# Altium PCB obc.PcbDoc (continued)
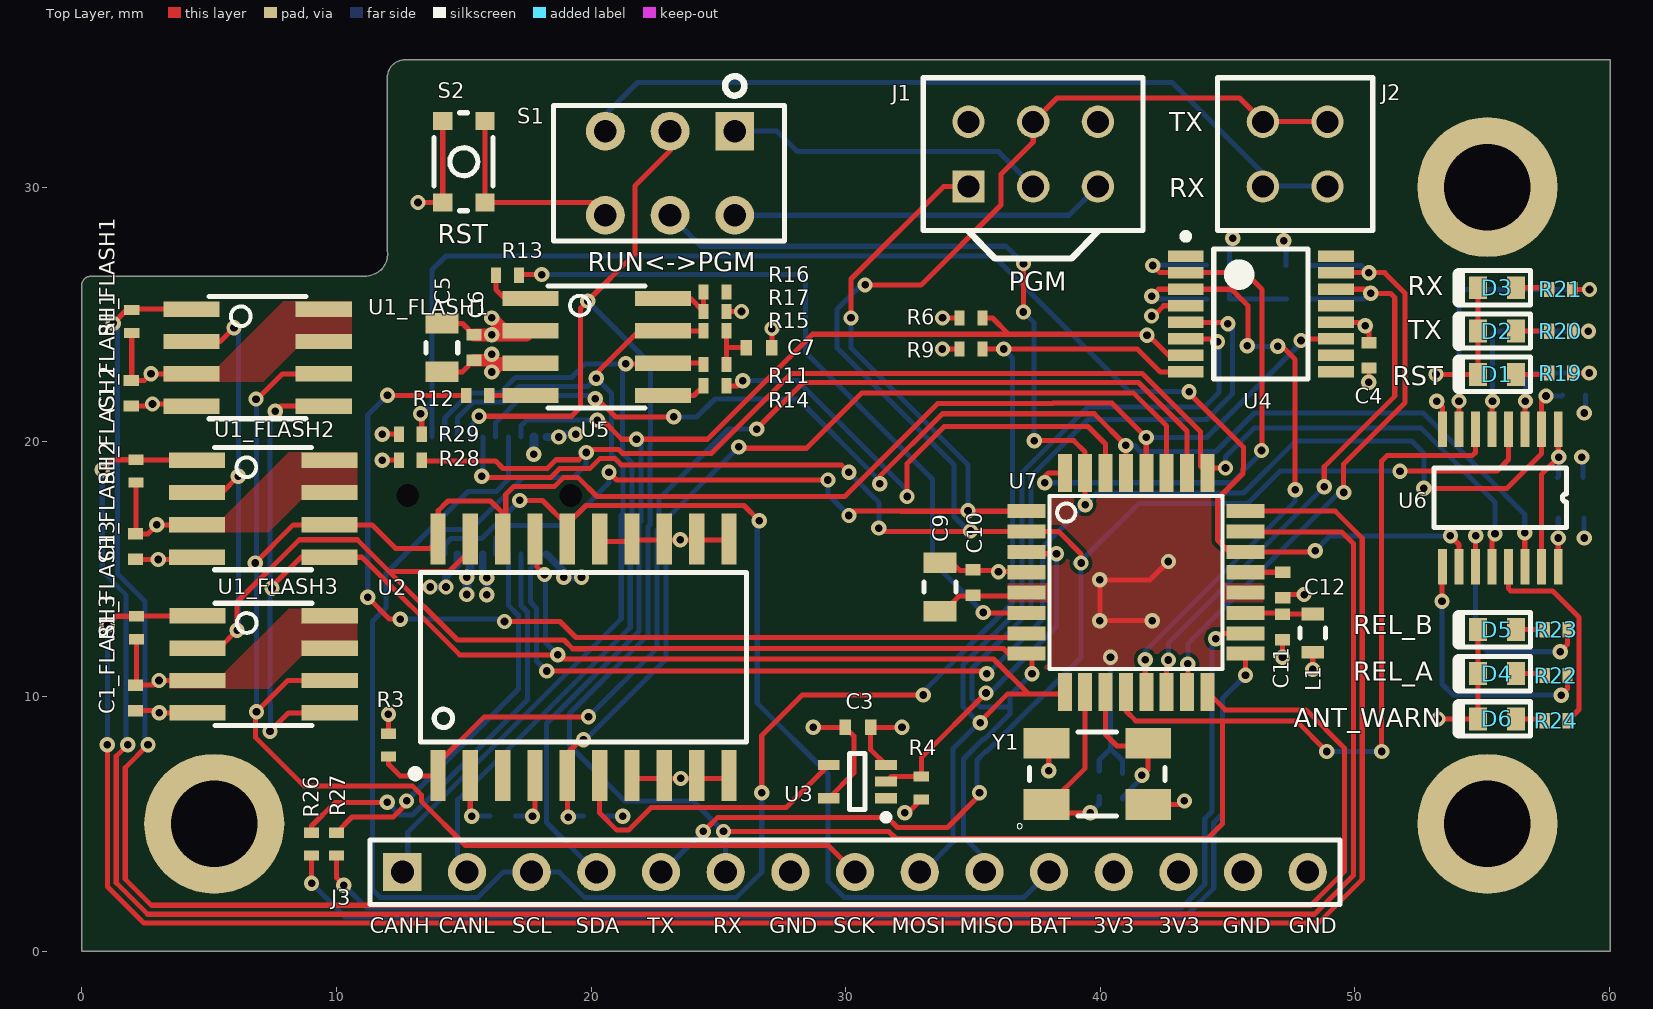
[diagram p0: Top Layer view]
## Footprints (in the part's own frame and the unit in brackets; to place one, negate y for a bottom-side part, rotate by r counter-clockwise, add the part's x,y. Pads: shape width x height; smd on the part's side, far side on the other; paste and mask are expansions set on the pad) (continued)
  rect 1.4x0.45 smd: 1(-2.95,2.275) 2(-2.95,1.625) 3(-2.95,0.975) 4(-2.95,0.325) 5(-2.95,-0.325) 6(-2.95,-0.975) 7(-2.95,-1.625) 8(-2.95,-2.275) 9(2.95,-2.275) 10(2.95,-1.625) 11(2.95,-0.975) 12(2.95,-0.325) 13(2.95,0.325) 14(2.95,0.975) 15(2.95,1.625) 16(2.95,2.275)
  silkscreen extent -3.07,-2.55 1.85,3.17, body extent -3.2,-2.55 3.2,2.55, height 1.1

## Part data
C1_FLASH1 C1_FLASH2 C1_FLASH3 C2 C3 C4: library part CAP0402, "0402 capacitor"
C5 C9: library part CAP0805, "0805 capacitor", Capacitance=10uF, Dielectric=X7R, Manufacturer=Murata, Manufacturer Part Number=GCM21BR70J106KE22K, Max Operating Temperature=125°C, Min Operating Temperature=-55°C, Supplier Part Number 1=490-14361-1-ND, Tolerance=10%, Voltage Rating (DC)=6.3V, Case/Package=0805, Depth=1.25mm, Lead Free="Lead Free", Length=2mm, Packaging="Tape and Reel", Pricing 1="1=0.42, 10=0.29, 100=0.1742, 500=0.13064, 1000=0.11031, 2500=0.10451, 5000=0.0987 (USD)", Stock 1=214938, Supplier 1=Digi-Key
C6 C8 C10 C11 C12: library part CAP0402, "0402 capacitor", Capacitance=100nF, Case Code (Metric)=1005, Dielectric=X7R, Manufacturer="Taiyo Yuden", Manufacturer Part Number=EMK105B7104KVHF, Max Operating Temperature=125°C, Min Operating Temperature=-55°C, Package Quantity=10000, Ratings=AEC-Q200, Supplier Part Number 1=587-3807-1-ND, Tolerance=10%, Voltage Rating=16V, Case/Package=0402, Case Code (Imperial)=0402, Halogen Free="Halogen Free", Height=0.5mm, Lead Free="Lead Free", Length=0.039inch, Mount="Surface Mount", Packaging="Tape and Reel", Pricing 1="1=0.1, 10=0.057, 100=0.0254, 500=0.01812, 1000=0.01423, 2500=0.01294, 5000=0.0119 (USD)", Stock 1=18196, Supplier 1=Digi-Key, Termination=SMD/SMT, Thickness=0.022inch, Voltage Rating (DC)=16V, Weight=2.3E-05oz, Width=0.02inch
C7: library part CAP0402, "0402 capacitor", Capacitance=47pF, Dielectric=X7R, Manufacturer=KEMET, Manufacturer Part Number=C0402C470J3RACAUTO, Max Operating Temperature=125°C, Min Operating Temperature=-55°C, Supplier Part Number 1=399-17558-1-ND, Tolerance=5%, Case/Package=0402, Depth=0.5mm, Length=1mm, Packaging="Tape and Reel", Pricing 1="1=0.15, 10=0.104, 100=0.0489, 500=0.0343, 1000=0.0284, 2500=0.02643, 5000=0.02418 (USD)", Stock 1=18140, Supplier 1=Digi-Key
C13 C14: library part CAP0402, "0402 capacitor", Capacitance=22pF, Case Code (Metric)=1005, Manufacturer=KEMET, Manufacturer Part Number=C0402C220K4RAC7867, Max Operating Temperature=125°C, Min Operating Temperature=-55°C, Supplier Part Number 1=399-17554-1-ND, Tolerance=10%, Voltage Rating=16V, Case/Package=0402, Case Code (Imperial)=0402, Mount="Surface Mount", Packaging="Tape and Reel", Pricing 1="1=0.19, 10=0.132, 100=0.062, 500=0.0435, 1000=0.03601, 2500=0.03351, 5000=0.03066 (USD)", Stock 1=68765, Supplier 1=Digi-Key
D1 D2 D3 D4 D5 D6: "Generic 0603 LED. Use ChipLED from Osram for generic ones."
J1: "6 pos 100mil pitch low profile header", Supplier Part Number 1=SAM1088-03-ND, Supplier 1=Digi-Key
J2: "4 pos 100mil pitch low profile header", Supplier Part Number 1=SAM1088-02-ND, Supplier 1=Digi-Key
J3: "15 Position Receptacle Connector 0.100\" (2.54mm) Through Hole Gold", Color=Black, Contact Resistance=10mR, Manufacturer=Samtec, Max Current Rating=7.1A, Max Operating Temperature=125°C, Max Voltage Rating (AC)=550V, Min Operating Temperature=-55°C, Package Quantity=1, Supplier Part Number 1=SAM1089-15-ND, ComponentLink1Description=http://suddendocs.samtec.com/prints/slw-1xx-01-x-x-mkt.pdf?src-supplier=Digi-Key, ComponentLink1URL=http://suddendocs.samtec.com/prints/slw-1xx-01-x-x-mkt.pdf?src-supplier=Digi-Key, Connector Type=Receptacle, Contact Material=Bronze, Contact Plating=Gold, Depth=2.54mm, Gender=Female, Housing Color=Black, Housing Material=Polyester, Lead Free="Lead Free", Length=38.1mm, Manufacturer Part Number=SLW-115-01-G-S, Mount="Through Hole", Number of Contacts=15, Number of Positions=15, Number of Rows=1, Orientation=Straight, Packaging=Bulk, Pitch=2.54mm, Pricing 1="1=2.44, 10=2.214, 25=2.0784, 50=1.988, 100=1.8976, 250=1.71684, 500=1.5813 (USD)", Radiation Hardening=No, Stock 1=0, Supplier 1=Digi-Key, Termination=Solder, Voltage Rating (AC)=550V, Width=2.54mm
J4: "0.50 mm Razor Beam™ LP Ultra Low Profile Socket Strip, alignment pin option", Supplier Part Number 1=Samtec, ComponentLink1Description="Product Page", ComponentLink1URL=https://www.samtec.com/products/slh-010-1.50-g-d-a, Supplier 1=SLH-010-1.50-G-D-A
L1: library part Inductor, "Inductor", Case Code (Metric)=1608, Current Rating=300mA, DC Resistance (DCR)=780mR, Inductance=10uH, Manufacturer=TDK, Manufacturer Part Number=MLZ1608N100LTD25, Max Operating Temperature=125°C, Min Operating Temperature=-55°C, Package Quantity=4000, Ratings=AEC-Q200, Saturation Current=60mA, Supplier Part Number 1=445-17067-1-ND, Test Frequency=2MHz, Tolerance=20%, Case/Package=0603, Case Code (Imperial)=0603, Code_IEC=1005, Code_JEITA=0402, Core Material=Ferrite, Height=0.8mm, Height - Seated (Max)=0.037inch, LatestRevisionDate=29-May-2009, LatestRevisionNote="IPC-7351 Footprint Added.", Lead Free="Lead Free", Length=0.063inch, Max DC Current=300mA, Mount="Surface Mount", PackageDescription="Chip Inductor", PackageReference=0402-A, Packaging="Tape and Reel", Pricing 1="1=0.22, 10=0.202, 100=0.1346, 500=0.11212, 1000=0.09419 (USD)", Published=8-Jun-2000, Publisher="Altium Limited", Shielding=Shielded, Stock 1=11876, Supplier 1=Digi-Key, Termination=SMD/SMT, Weight=0.000141oz, Width=0.8mm
R1_FLASH1 R1_FLASH2 R1_FLASH3 R2 R3 R4 R5 R6 R7 R8 R9 R10 R26 R27 R28 R29: library part RES0402, "0402 resistor"
R11 R15: library part RES0402, "0402 resistor", Case Code (Metric)=1005, Manufacturer=Vishay, Manufacturer Part Number=CRCW040260R4FKED, Max Operating Temperature=155°C, Max Power Dissipation=63mW, Min Operating Temperature=-55°C, Package Quantity=10, Resistance=60.4R, Supplier Part Number 1=541-60.4LCT-ND, Temperature Coefficient=100ppm/°C, Tolerance=1%, Voltage Rating=50V, Case/Package=0402, Case Code (Imperial)=0402, ComponentLink1Description=https://www.alliedelec.com/m/d/0c934d6939ccefa68dbe0b96d821c8cf.pdf?src-supplier=Allied+Electronics, ComponentLink1URL=https://www.alliedelec.com/m/d/0c934d6939ccefa68dbe0b96d821c8cf.pdf?src-supplier=Allied+Electronics, ComponentLink2Description=http://www.farnell.com/datasheets/1697337.pdf?src-supplier=Element14, ComponentLink2URL=http://www.farnell.com/datasheets/1697337.pdf?src-supplier=Element14, ComponentLink3Description=http://www.vishay.com/docs/20035/dcrcwe3.pdf?src-supplier=Digi-Key, ComponentLink3URL=http://www.vishay.com/docs/20035/dcrcwe3.pdf?src-supplier=Digi-Key, ComponentLink4Description=http://www.farnell.com/datasheets/2111203.pdf?src-supplier=Element14, ComponentLink4URL=http://www.farnell.com/datasheets/2111203.pdf?src-supplier=Element14, ComponentLink5Description=http://www.vishay.com/docs/20035/dcrcwe3.pdf?src-supplier=Future+Electronics, ComponentLink5URL=http://www.vishay.com/docs/20035/dcrcwe3.pdf?src-supplier=Future+Electronics, Composition="Thick Film", Contact Plating=Tin, Depth=0.5mm, Features="Automotive AEC-Q200", Height=0.35mm, Lead Free="Lead Free", Length=1mm, Military Standard=Not, Number of Terminations=2, Packaging="Tape and Reel", Power Rating=63mW, Pricing 1="1=0.1, 10=0.038, 100=0.0154, 1000=0.0069, 2500=0.00599, 5000=0.00495 (USD)", Radiation Hardening=No, REACH SVHC=Unknown, Stock 1=132015, Supplier 1=Digi-Key, Termination=Solder, Voltage Rating (DC)=50V, Weight=2.3E-05oz, Width=0.5mm
R12 R13 R14: library part RES0402, "0402 resistor", Case Code (Metric)=1005, Manufacturer="Vishay Dale", Manufacturer Part Number=CRCW0402100RFKEDHP, Max Operating Temperature=155°C, Min Operating Temperature=-55°C, Package Quantity=10000, Power Rating=125mW, Resistance=100R, Supplier Part Number 1=541-100YCT-ND, Temperature Coefficient=100ppm/°C, Tolerance=1%, Voltage Rating=50V, Case/Package=0402, Case Code (Imperial)=0402, ComponentLink1Description=http://www.vishay.com/docs/20043/crcwhpe3.pdf?src-supplier=Avnet, ComponentLink1URL=http://www.vishay.com/docs/20043/crcwhpe3.pdf?src-supplier=Avnet, Composition="Thick Film", Contact Plating=Tin, Depth=0.5mm, Height=0.3mm, Lead Free="Lead Free", Length=1mm, Mount="Surface Mount", Packaging="Tape and Reel", Pricing 1="1=0.15, 10=0.138, 100=0.0532, 1000=0.02343, 2500=0.02023, 5000=0.0181 (USD)", Radiation Hardening=No, REACH SVHC=Unknown, Stock 1=530594, Supplier 1=Digi-Key, Termination=SMD/SMT, Voltage Rating (DC)=50V, Weight=2.3E-05oz, Width=0.5mm
R16 R17: library part RES0402, "0402 resistor", Case Code (Metric)=1005, Manufacturer=Panasonic, Manufacturer Part Number=ERJ-2GE0R00X, Max Operating Temperature=155°C, Max Power Dissipation=100mW, Min Operating Temperature=-55°C, Package Quantity=1, Resistance=0mR, Supplier Part Number 1=P0.0JCT-ND, Temperature Coefficient=600ppm/°C, Tolerance=5%, Voltage Rating=50V, Case/Package=0402, Case Code (Imperial)=0402, ComponentLink1Description=http://industrial.panasonic.com/www-data/pdf/AOA0000/AOA0000CE1.pdf?src-supplier=Avnet, ComponentLink1URL=http://industrial.panasonic.com/www-data/pdf/AOA0000/AOA0000CE1.pdf?src-supplier=Avnet, ComponentLink2Description=http://www.alliedelec.com/m/d/51cd0790071e1666bdb9d00c57fcf960.pdf?src-supplier=Allied+Electronics, ComponentLink2URL=http://www.alliedelec.com/m/d/51cd0790071e1666bdb9d00c57fcf960.pdf?src-supplier=Allied+Electronics, ComponentLink3Description=http://industrial.panasonic.com/www-data/pdf/AOA0000/AOA0000CE1.pdf?src-supplier=Avnet+Europe, ComponentLink3URL=http://industrial.panasonic.com/www-data/pdf/AOA0000/AOA0000CE1.pdf?src-supplier=Avnet+Europe, ComponentLink4Description=http://www.farnell.com/datasheets/2059623.pdf?src-supplier=Farnell, ComponentLink4URL=http://www.farnell.com/datasheets/2059623.pdf?src-supplier=Farnell, ComponentLink5Description=http://www.farnell.com/datasheets/2059623.pdf?src-supplier=Element14, ComponentLink5URL=http://www.farnell.com/datasheets/2059623.pdf?src-supplier=Element14, ComponentLink6Description=http://www.farnell.com/datasheets/1678796.pdf?src-supplier=Element14, ComponentLink6URL=http://www.farnell.com/datasheets/1678796.pdf?src-supplier=Element14, Composition="Thick Film", Contact Plating=Tin, Depth=0.5mm, Features="Automotive AEC-Q200", Height=0.35mm, Lead Free="Lead Free", Length=1mm, Military Standard=Not, Mount="Surface Mount", Number of Terminations=2, Packaging="Tape and Reel", Power Rating=100mW, Pricing 1="1=0.1, 10=0.03, 25=0.0216, 50=0.0164, 100=0.0121, 250=0.00924, 500=0.0074, 1000=0.00545, 5000=0.00391 (USD)", Radiation Hardening=No, REACH SVHC="No SVHC", Stock 1=47740000, Supplier 1=Digi-Key, Termination=SMD/SMT, Voltage Rating (DC)=50V, Width=0.02inch
R18: library part RES0402, "0402 resistor", Case Code (Metric)=1005, Manufacturer=Panasonic, Manufacturer Part Number=ERJ-2RKF1002X, Max Operating Temperature=155°C, Max Power Dissipation=100mW, Min Operating Temperature=-55°C, Package Quantity=1, Resistance=10kR, Supplier Part Number 1=P10.0KLCT-ND, Temperature Coefficient=100ppm/°C, Tolerance=1%, Voltage Rating=50V, Case/Package=0402, Case Code (Imperial)=0402, ComponentLink1Description=http://industrial.panasonic.com/www-data/pdf/AOA0000/AOA0000CE2.pdf?src-supplier=Future+Electronics, ComponentLink1URL=http://industrial.panasonic.com/www-data/pdf/AOA0000/AOA0000CE2.pdf?src-supplier=Future+Electronics, ComponentLink2Description=http://industrial.panasonic.com/www-data/pdf/AOA0000/AOA0000CE2.pdf?src-supplier=Avnet+Europe, ComponentLink2URL=http://industrial.panasonic.com/www-data/pdf/AOA0000/AOA0000CE2.pdf?src-supplier=Avnet+Europe, ComponentLink3Description=https://industrial.panasonic.com/cdbs/www-data/pdf/RDA0000/DMA0000COL11.pdf?src-supplier=Mouser, ComponentLink3URL=https://industrial.panasonic.com/cdbs/www-data/pdf/RDA0000/DMA0000COL11.pdf?src-supplier=Mouser, ComponentLink4Description=http://www.farnell.com/datasheets/1678782.pdf?src-supplier=Element14, ComponentLink4URL=http://www.farnell.com/datasheets/1678782.pdf?src-supplier=Element14, ComponentLink5Description=http://www.farnell.com/datasheets/1911175.pdf?src-supplier=Farnell, ComponentLink5URL=http://www.farnell.com/datasheets/1911175.pdf?src-supplier=Farnell, ComponentLink6Description=http://www.jameco.com/Jameco/Products/ProdDS/1987020.pdf?src-supplier=Jameco, ComponentLink6URL=http://www.jameco.com/Jameco/Products/ProdDS/1987020.pdf?src-supplier=Jameco, ComponentLink7Description=http://industrial.panasonic.com/www-data/pdf/AOA0000/AOA0000CE2.pdf?src-supplier=Avnet, ComponentLink7URL=http://industrial.panasonic.com/www-data/pdf/AOA0000/AOA0000CE2.pdf?src-supplier=Avnet, ComponentLink8Description=http://www.alliedelec.com/m/d/623f45ff1957d936ff56d46fd1c28cac.pdf?src-supplier=Allied+Electronics, ComponentLink8URL=http://www.alliedelec.com/m/d/623f45ff1957d936ff56d46fd1c28cac.pdf?src-supplier=Allied+Electronics, Composition="Thick Film", Contact Plating=Tin, Depth=0.5mm, Features="Automotive AEC-Q200", Height=0.35mm, Lead Free="Lead Free", Length=1mm, Military Standard=Not, Mount="Surface Mount", Number of Pins=2, Number of Terminations=2, Packaging="Tape and Reel", Power Rating=100mW, Pricing 1="1=0.1, 10=0.045, 100=0.0183, 1000=0.00823, 2500=0.00715, 5000=0.0059 (USD)", Radiation Hardening=No, REACH SVHC="No SVHC", Stock 1=14350001, Supplier 1=Digi-Key, Termination=SMD/SMT, Voltage Rating (DC)=50V, Width=0.02inch
R19 R20 R21 R22 R23 R24: library part RES0402, "0402 resistor", Case Code (Metric)=1005, Manufacturer="TE Connectivity", Manufacturer Part Number=CRGCQ0402F330R, Max Operating Temperature=155°C, Max Power Dissipation=63mW, Min Operating Temperature=-55°C, Resistance=330R, Supplier Part Number 1=A129621CT-ND, Temperature Coefficient=100ppm/°C, Tolerance=1%, Case/Package=0402, Case Code (Imperial)=0402, Composition="Thick Film", Features="Moisture Resistant,Automotive AEC-Q200", Number of Terminations=2, Packaging="Tape and Reel", Pricing 1="1=0.1, 10=0.022, 100=0.009, 1000=0.00406, 2500=0.00352, 5000=0.00291 (USD)", Stock 1=224275, Supplier 1=Digi-Key
R25: library part RES0402, "0402 resistor", Case Code (Metric)=1005, Manufacturer=Yageo, Manufacturer Part Number=AC0402FR-0730KL, Max Operating Temperature=155°C, Max Power Dissipation=63mW, Min Operating Temperature=-55°C, Power Rating=62.5mW, Resistance=30kR, Supplier Part Number 1=YAG3474CT-ND, Temperature Coefficient=100ppm/°C, Tolerance=1%, Voltage Rating=50V, Case/Package=0402, Case Code (Imperial)=0402, Composition="Thick Film", Features="Moisture Resistant,Automotive AEC-Q200", Height=0.015inch, Lead Free="Lead Free", Length=0.039inch, Number of Terminations=2, Packaging="Tape and Reel", Pricing 1="1=0.1, 10=0.022, 100=0.009, 1000=0.00403, 2500=0.0035, 5000=0.00289 (USD)", Stock 1=756314, Supplier 1=Digi-Key, Termination=SMD/SMT, Weight=2.3E-05oz, Width=0.5mm
S1: library part "DPDT Switch", "DPDT Switch, customized for the pinout of the JS202011AQN switch.", Supplier Part Number 1=401-2000-ND, Supplier 1=Digi-Key
S2: library part "Pushbutton - Low Profile", "Schematic symbol for a generic 2-pin pushbutton, OFF-mom.", Supplier Part Number 1=CKN10587CT-ND, Supplier 1=Digi-Key
U1_FLASH1 U1_FLASH2 U1_FLASH3: "2.5V/3.0V 16 Mbit Serial Quad I/O (SQI) Flash Memory", Supplier Part Number 1=SST26VF016B-104I/SN-ND, ComponentLink1Description=SST25VF016B, ComponentLink1URL=https://www.digikey.ca/product-detail/en/microchip-technology/SST26VF016B-104I-SN/SST26VF016B-104I-SN-ND/5033651, Supplier 1=Digi-Key
U2: "SPI bus RTC with integrated crystal and SRAM", Supplier 1=Digi-Key, Supplier 2=Digi-Key, Supplier Part Number 2=DS3234SN#T&RCT-ND
U3: "Single element non-inverting open drain buffer", Supplier Part Number 1=296-8486-1-ND, Supplier 1=Digi-Key
U4: "SPI to I2C bridge.", Supplier Part Number 1=568-13690-1-ND, Supplier 1=Digikey
U5: "3.3V CAN Transceiver with Standby Mode, Loop-back 8-SOIC -40 to 125", Package="SOIC-8 Texas Instruments", Supplier Part Number 1=296-14639-5-ND, Availability=Good, MF="Texas Instruments", MP=SN65HVD233D, Price="2.39 USD", SnapEDA_Link=https://www.snapeda.com/parts/SN65HVD233D/Texas%20Instruments/view-part/?ref=snap, Supplier 1=Digi-Key
U6: "Hex non-inverting buffer with 3-state outputs", Supplier Part Number 1=296-33932-5-ND, Supplier 1=Digi-Key
U7: library part ATMEGA64M1_QFP, "Atmel 8-bit AVR microcontroller.", Supplier Part Number 1=ATMEGA64M1-AU-ND, Supplier 1=Digi-Key
Y1: library part AMB3B-8MHz, "8MHz Abracom 4-pin crystal.", Supplier Part Number 1=535-13456-1-ND, Supplier 1=Digi-Key

## Free pads (board coordinates)
  round 5.5 hole 3.4 unplated: 1(5.2,5) 2(55.2,5) 4(55.2,30)

## Via types
v1: diameter 0.6, hole 0.3, Top Layer to Bottom Layer, tented both sides, 180 vias

## Nets (pads, with @x,y where several pads share a name; then routed paths per layer and width w, separated by ;. In a path a pad name is that pad's centre, name@x,y a point inside that pad or via, vN(x,y) a via of type N, cw(c..) or ccw(c..) an arc to the next point about the centre after c; other vN are vias at no path point)
+3V3: C1_FLASH1.1 C1_FLASH2.1 C1_FLASH3.1 C2.2 C3.2 C4.2 C5.2 C6.2 C8.2 C9.2 C10.2 J1.2 J3.12 J3.13 J4.3 J4.14 L1.1 R1_FLASH1.2 R1_FLASH2.2 R1_FLASH3.2 R2.2 R3.2 R4.2 R5.2 R6.2 R7.2 R8.2 R9.2 R25.2 U1_FLASH1.3 U1_FLASH1.7 U1_FLASH1.8 U1_FLASH2.3 U1_FLASH2.7 U1_FLASH2.8 U1_FLASH3.3 U1_FLASH3.7 U1_FLASH3.8 U2.4 U3.5 U4.12 U5.3 U6.16 U7.4 | length 44
  Top Layer w0.2: R1_FLASH1.2 1.96,22.428 C1_FLASH1.1 2.453,22.408 v1(2.715,22.67) U1_FLASH1.3 U1_FLASH1.3@4.266,22.704 ; R1_FLASH2.2 2.13,16.408 C1_FLASH2.1 2.596,16.388 v1(2.946,16.739) U1_FLASH2.3 ; R1_FLASH3.2 2.148,10.48 C1_FLASH3.1 2.848,10.443 v1(3.031,10.625) U1_FLASH3.3 U1_FLASH3.3@4.518,10.643 ; R3.2 v1(12.04,9.3) ; C5.2@14.193,22.75 14.943,22.75 ; 14.95,22.75 C6.2 ; 15.9,23.2 16.011,23.089 16.445,23.089 ; v1(17.7,5.3) 17.795,5.395 U2.4 ; v1(28.727,8.788) C3.2 30.328,8.441 30.328,7.003 U3.5 ; v1(32.32,5.43) 32.449,5.43 R4.2 ; C9.2@33.2,15.276 34.156,15.276 34.481,14.951 ; v1(33.796,23.647) R9.2 ; v1(33.8,24.867) R6.2 ; 34.468,14.951 34.481,14.951 ; U7.4 37.08,14.9 v1(36,14.9) 35.949,14.951 34.481,14.951 ; v1(48.342,11.058) L1.1 ; U4.12 50.268,24.694 v1(50.4,24.562) 50.546,24.416 C4.2 ; v1(57.982,16.224) U6.16 U6.16@58.016,15.066
  Top Layer w0.5: C6.2 15.9,23.2 ; v1(16.1,22.744) 16.445,23.089 U5.3@17.3,23.089
  Bottom Layer w0.2: C2.2 v1(17.7,5.3) ; R2.2 v1(21.24,5.3) ; v1(45.2,28) 45.065,27.865 R7.2 45.078,26.936 R8.2 R5.2@47.306,25.603 ; v1(57.982,16.224) 57.982,16.982 C8.2 ; v1(59,21.133) 59.05,21.183 R25.2
  Bottom Layer w0.35: v1(15.12,14.005) v1(15.12,14.68) 15.25,14.81 J4.14 ; v1(17.75,19.51) J4.3
  other v1: 16.1,23.438
+RTC_VBAT: J3.11 J4.18 U2.16 | length 40.1
  Top Layer w0.2: v1(17.2,17.7) 18.086,17.7 U2.16@19.065,16.721 ; U2.16 U2.16@19.065,16.721 ; U2.16@19.075,16.151 U2.16@19.075,16.19 ; U2.16@19.101,16.19 U2.16@19.101,16.551 ; v1(26.6,16.9) 26,17.5 19.803,17.5 19.065,16.762 U2.16@19.065,16.721
  Bottom Layer w0.2: J4.18 14.25,15.95 14.5,16.2 15.7,16.2 v1(17.2,17.7) ; v1(26.6,16.9) 26.524,16.824 26.524,9.737 29.307,6.954 29.307,2.741 29.95,2.098 36.983,2.098 J3.11
ANT_DEP_WARN: J4.9 U6.14 U7.29 | length 50.8
  Top Layer w0.2: v1(20.168,21.692) 20.244,21.692 20.955,20.98 v1(23.241,20.98) ; v1(31.339,18.353) 31.339,18.645 33.796,21.103 39.758,21.103 v1(41.002,19.859) U7.29 ; v1(56.667,16.434) 56.667,15.115 U6.14
  Bottom Layer w0.2: J4.9 16.25,20.752 17.317,21.819 20.04,21.819 v1(20.168,21.692) ; v1(23.241,20.98) 24.16,20.98 24.865,21.685 28.129,21.685 31.339,18.475 v1(31.339,18.353) ; v1(41.002,19.859) 41.336,19.859 41.573,19.622 44.539,19.622 46.05,21.133 52.68,21.133 56.667,17.145 v1(56.667,16.434)
ANT_I2C_SCL: J3.3 J4.7 R9.1 U4.8 | length 73.3
  Top Layer w0.2: v1(26.7,6.223) 26.7,8.466 28.293,10.058 v1(33.045,10.058) ; R9.1 v1(36.2,23.647) 41.453,23.647 42.356,22.744 U4.8
  Bottom Layer w0.2: 11.409,2.381 11.409,2.419 ; J4.7 16.75,18.53 16.273,18.052 15.166,18.052 11.948,14.834 11.948,13.484 11.409,12.946 11.409,2.419 ; v1(26.7,6.223) 26.7,3.097 25.7,2.098 24.87,2.098 24.867,2.1 23.163,2.1 23.16,2.098 19.752,2.098 18.749,3.1 J3.3 16.543,3.1 15.54,2.098 11.731,2.098 11.409,2.419 ; v1(33.045,10.058) 33.045,10.185 35.608,12.748 35.629,12.748 36.552,13.671 36.552,23.295 v1(36.2,23.647)
ANT_I2C_SDA: J3.4 J4.5 R6.1 U4.7 | length 50.1
  Top Layer w0.2: v1(20.244,20.853) 20.447,20.853 21.198,20.102 v1(21.783,20.102) 24.571,20.102 28.696,24.227 36.4,24.227 ; J3.4@20.42,2.885 J3.4@20.42,3.024 ; R6.1 35.76,24.867 36.4,24.227 ; U4.7 42.684,23.394 41.897,24.181 v1(41.834,24.181) 41.788,24.227 36.4,24.227
  Bottom Layer w0.2: J4.5 17.25,20.629 17.474,20.852 v1(20.244,20.853) v1(20.244,20.853) ; J3.4 18.252,5.053 18.252,5.529 18.25,5.531 18.25,8.934 21.888,12.573 21.888,16.818 21.957,16.887 21.957,19.927 v1(21.783,20.102) ; J3.4@20.42,2.885 J3.4@20.595,3.06
ANT_REL_A: J4.19 R29.2 U6.10 U7.22 | length 58.3
  Top Layer w0.2: v1(13.3,21.103) 13.35,21.053 R29.2 ; v1(43.485,21.971) 43.485,21.92 45.618,19.787 45.618,18.955 45.598,18.934 45.598,18.754 44.602,17.758 44.602,16.139 45.063,15.678 U7.22 48.393,15.678 v1(48.438,15.723) ; v1(53.746,16.307) 54.082,15.971 U6.10
  Bottom Layer w0.2: v1(13.3,21.103) 13.75,21.553 ; J4.19 13.75,21.553 ; v1(43.485,21.971) 41.148,21.971 35.817,27.302 14.297,27.302 13.75,26.755 13.75,21.553 ; v1(48.438,15.723) 49.022,16.307 v1(53.746,16.307)
ANT_REL_B: J4.20 R28.2 U6.12 U7.25 | length 59.6
  Top Layer w0.2: R28.2@13.343,19.202 13.393,19.252 16.246,19.252 16.541,18.957 17.721,18.957 18.277,18.957 18.617,19.297 19.518,19.297 v1(19.804,19.583) 19.926,19.705 21.075,19.705 21.23,19.55 24.731,19.55 27.872,22.69 41.639,22.69 43.929,20.399 43.929,19.051 U7.25 44.398,18.974 v1(44.916,18.974) ; U6.12 55.382,16.266 v1(55.499,16.383)
  Bottom Layer w0.2: J4.20 13.75,16.138 14.165,16.552 15.271,16.552 17.311,18.592 19.292,18.592 19.804,19.104 v1(19.804,19.583) v1@19.644,19.583 ; v1(44.916,18.974) 44.916,19.414 46.05,20.549 52.578,20.549 55.499,17.628 v1(55.499,16.383)
AREF: C12.2 U7.21 | length 1.5
  Top Layer w0.2: U7.21 C12.2 C12.2
AVCC: C11.2 L1.2 U7.19 | length 2.5
  Top Layer w0.2: U7.19 47.109,13.278 C11.2 L1.2@48.15,13.235
BUF_EN_N: R18.2 U6.1 U6.15 | length 6.5
  Top Layer w0.2: U6.15 57.332,18.732 v1(58,19.4) 57.982,19.418 U6.1
  Bottom Layer w0.2: R18.2@57.95,18.6 58,18.65 v1(58,19.4)
CAN_CM_F: C7.2 R11.1 R15.1 | length 2.1
  Top Layer w0.2: R11.1 25.317,23.7 ; R15.1 25.317,23.7 ; C7.2 25.317,23.7
CANH: J3.1 J4.15 R15.2 U5.7 | length 35.5
  Top Layer w0.2: v1(20.2,22.5) 20.2,22.683 21.876,24.359 U5.7 R15.2
  Bottom Layer w0.2: J3.1@12.823,2.885 12.8,2.885 12.8,4.665 21.184,13.049 21.184,17.11 21.252,17.179 21.252,19.029 20.796,19.485 20.796,21.904 v1(20.2,22.5) 20.195,22.5 19.866,22.171 17.171,22.171 16.557,21.558 15.367,21.558 14.75,20.941 J4.15
CANL: J3.2 J4.17 R11.2 U5.6 | length 35.2
  Top Layer w0.2: v1(21.361,23.063) 22.792,23.063 U5.6 24.416,23.089 R11.2@24.467,23.038
  Bottom Layer w0.2: J4.17 14.25,20.94 15.221,21.911 16.411,21.911 17.025,22.524 19.228,22.524 19.767,23.063 v1(21.361,23.063) 21.23,22.932 21.23,19.549 21.605,19.175 21.605,17.033 21.536,16.964 21.536,12.719 14.759,5.942 14.759,3.466 J3.2 ; J3.2@15.241,2.984 J3.2@15.34,2.885
CS_RTC: R3.1 U2.1 U7.26 | length 44.3
  Top Layer w0.2: R3.1 12.04,7.337 12.493,6.883 13.869,6.883 13.869,7.268 15.801,9.2 v1(19.9,9.2) ; U2.1@13.995,6.851 U2.1@13.995,6.89 ; v1(26.5,20.5) 28.331,22.331 41.499,22.331 43.402,20.428 U7.26
  Bottom Layer w0.2: v1(19.9,9.2) 22.593,11.893 22.593,16.526 22.662,16.595 22.662,17.762 25.4,20.5 v1(26.5,20.5)
EPS: R26.2 U7.17 | length 47.2
  Top Layer w0.2: v1(9.022,2.664) R26.2@9.022,3.712 ; v1(45.702,10.828) U7.17
  Bottom Layer w0.2: v1(9.022,2.664) 10.338,1.348 43.382,1.348 43.382,1.399 44.452,2.47 44.452,5.054 44.791,5.392 44.791,9.916 v1(45.702,10.828)
GND: C1_FLASH1.2 C1_FLASH2.2 C1_FLASH3.2 C2.1 C3.1 C4.1 C5.1 C6.1 C7.1 C8.1 C9.1 C10.1 C11.1 C12.1 C13.1 C14.1 D1.2 D2.2 D3.2 D4.2 D5.2 D6.2 J1.6 J3.7 J3.14 J3.15 J4.1 J4.2 J4.12 J4.16 R10.1 R17.1 R18.1 R28.1 R29.1 S2.2 U1_FLASH1.4 U1_FLASH2.4 U1_FLASH3.4 U2.2 U2.7 U2.8 U2.9 U2.10 U2.11 U2.12 U2.13 U2.14 U2.15 U3.3 U4.4 U5.2 U6.8 U7.5 U7.20 Y1.2 Y1.4 | length 77.8
  Top Layer w0.2: C1_FLASH1.2 2.698,21.408 v1(2.774,21.485) 4.215,21.485 U1_FLASH1.4 U1_FLASH1.4@4.204,21.304 ; C1_FLASH3.2 2.952,9.443 v1(3.039,9.355) U1_FLASH3.4 U1_FLASH3.4@4.423,9.243 ; C1_FLASH2.2 2.118,15.381 v1(3,15.381) 4.434,15.381 U1_FLASH2.4 ; v1(11.8,19.279) R28.1 ; v1(11.8,20.3) R29.1 ; v1(13.2,29.4) 14.175,29.4 S2.2@14.175,32.6 ; C5.1@14.193,24.65 14.943,24.65 ; 14.95,24.65 C6.1 ; U2.2 15.255,5.356 v1(15.311,5.3) ; U5.2@17.459,24.2 U5.2 ; U2.15@20.371,16.082 20.367,16.078 21.542,16.078 21.615,16.151 v1(23.498,16.151) 25.415,16.151 U2.11@25.425,16.151 ; U2.7@21.641,6.782 v1(23.52,6.782) 25.415,6.782 U2.10@25.451,6.782 ; R17.1 v1(25.908,25.121) ; C7.1 v1(27.1,24.447) ; C3.1 30.98,7.904 U3.3 ; C3.1@31.18,8.788 v1(32.207,8.788) ; C9.1@33.2,13.376 33.893,13.376 34.468,13.951 36.975,13.951 U7.5 ; Y1.4@37.878,8.058 37.973,7.963 v1(37.973,7.085) ; Y1.2 43.161,5.758 v1(43.3,5.897) ; v1(42.012,24.943) 42.088,24.943 42.489,25.344 U4.4 ; v1(42.039,12.976) v1(39.98,12.976) v1(39.98,14.58) 41.952,14.58 v1(42.672,15.3) ; v1(47.152,11.537) C11.1 ; C12.1 47.287,14 v1(48,14) ; v1@50.546,22.338 C4.1 ; v1(53.183,22.652) D1.2 D2.2 D3.2 ; v1(53.213,21.59) 53.432,21.371 U6.8 ; v1(53.264,9.119) D6.2 D4.2 D5.2
  Top Layer w0.5: C6.1 v1(16.1,24.2) U5.2@17.459,24.2 ; v1(16.1,24.867) 16.608,24.359 U5.2
  Bottom Layer w0.2: v1(15.311,5.3) C2.1 ; C13.1 39.954,7.504 40.4,7.95 ; v1(39.98,14.58) v1@40.132,14.427 ; v1(40.4,11.537) 40.4,7.95 ; C14.1@40.869,6.977 C14.1 40.869,7.482 40.4,7.95 ; v1@41.961,24.892 v1(42.012,24.943) ; v1(47.2,27.9) 47.287,27.813 R10.1 ; v1(58.9,19.4) 58.95,19.35 R18.1 ; v1@59,16.2 v1(59,16.224) C8.1
  Bottom Layer w0.3: v1(13.676,14.3) v1(14.3,14.3) 14.3,14.712 14.75,15.162 J4.16 ; J4.12 15.75,14.806 v1(15.9,14.656) v1(15.9,14) ; J4.2 18.923,14.917 v1(18.923,14.681) v1(19.623,14.681) ; J4.1 v1(18.733,20.19) 18.843,20.3 v1(19.4,20.3) v1@19.5,20.3
  other v1: 50.545,22.338
I2C_INRPT: R5.1 U4.14 U7.14 | length 24.2
  Top Layer w0.2: U7.14 42.602,11.36 v1(42.672,11.43) ; v1@48.743,18.161 48.793,18.212 v1(48.793,18.237) 48.793,19.025 51.562,21.793 51.562,25.668 51.398,25.832 v1(50.618,25.832) 50.455,25.994 U4.14
  Bottom Layer w0.2: v1(42.672,11.43) 42.672,12.113 48.793,18.234 v1(48.793,18.237) ; R5.1 50.343,25.603 50.571,25.832 v1(50.618,25.832)
LBK: R14.2 U7.30 | length 20.3
  Top Layer w0.2: R14.2 25.756,22.2 v1(25.959,22.403) ; v1(32.409,17.854) 32.409,19.14 33.867,20.599 39.514,20.599 40.202,19.911 U7.30
  Bottom Layer w0.2: v1(25.959,22.403) 28.109,22.403 32.409,18.103 v1(32.409,17.854)
LBK_R: R14.1 U5.5 | length 1.8
  Top Layer w0.2: U5.5 24.036,21.819 R14.1
LED1: D1.1 R19.1 | length 1.3
  Top Layer w0.2: D1.1 57.582,22.652 R19.1
LED2: D2.1 R20.1 | length 1.3
  Top Layer w0.2: D2.1 57.623,24.353 R20.1
LED3: D3.1 R21.1 | length 1.3
  Top Layer w0.2: D3.1 57.564,26.053 R21.1
LED4: D4.1 R22.1 | length 1.1
  Top Layer w0.2: D4.1 57.31,10.897 R22.1@57.386,10.82
LED5: D5.1 R23.1 | length 1.1
  Top Layer w0.2: D5.1 R23.1@57.386,12.624
LED6: D6.1 R24.1 | length 1.1
  Top Layer w0.2: D6.1 57.31,9.119 R24.1@57.386,9.042
MEM_CSn1: R1_FLASH1.1 U1_FLASH1.1 U7.16 | length 86.2
  Top Layer w0.2: v1(1.23,24.651) 1.756,25.177 R1_FLASH1.1 1.992,25.21 U1_FLASH1.1 ; v1(2.6,8.1) 1.705,7.205 1.705,2.825 2.73,1.8 48.263,1.8 49.581,3.118 49.581,7.975 48.081,9.474 44.906,9.474 U7.16
  Bottom Layer w0.2: v1@1.4,24.867 1.4,14.816 2.478,13.737 2.478,8.222 v1(2.6,8.1)
MEM_CSn2: R1_FLASH2.1 U1_FLASH2.1 U7.23 | length 87.9
  Top Layer w0.2: v1(0.8,18.9) 1.197,19.297 R1_FLASH2.1 2.148,19.279 U1_FLASH2.1 ; v1(1.8,8.1) 1.352,7.652 1.352,2.679 2.584,1.448 48.409,1.448 49.933,2.972 49.933,16.005 49.474,16.464 45.716,16.464 U7.23
  Bottom Layer w0.2: v1(0.8,18.9) 0.8,14.917 1.727,13.99 1.727,8.173 v1(1.8,8.1)
MEM_CSn3: R1_FLASH3.1 U1_FLASH3.1 U7.24 | length 83
  Top Layer w0.2: v1(1,8.1) 1,2.533 2.438,1.095 48.555,1.095 50.286,2.826 50.286,16.215 49.223,17.278 U7.24 ; v1(1,12.8) 1.35,13.15 R1_FLASH3.1 2.164,13.165 U1_FLASH3.1
  Bottom Layer w0.2: v1(1,8.1) v1(1,12.8)
MISO: J3.10 U1_FLASH1.2 U1_FLASH2.2 U1_FLASH3.2 U2.19 U4.5 U7.8 | length 92.3
  Top Layer w0.2: U1_FLASH1.2 5.432,23.94 v1(5.977,24.485) ; U1_FLASH2.2 5.512,18.009 v1(6.147,18.644) ; U1_FLASH3.2 5.393,11.895 v1(6.096,12.598) 6.096,13.709 8.541,16.154 10.814,16.154 12.069,14.9 ; U2.19 15.255,15.499 15.02,15.499 14.421,14.9 12.069,14.9 ; v1(37.313,10.897) 37.313,11.467 U7.8 36.395,11.678 36.191,11.882 19.784,11.882 19.775,11.873 19.274,11.873 18.934,12.213 14.756,12.213 12.069,14.9 ; U4.5 44.953,24.694 v1(45.009,24.638)
  Bottom Layer w0.2: v1(5.977,24.485) 6.147,24.314 v1(6.147,18.644) 6.147,12.649 v1(6.096,12.598) ; J3.10@35.66,2.885 35.66,3.453 34.62,4.493 34.62,7.547 35.41,8.336 35.47,8.336 36.454,9.32 36.454,9.627 ; v1(37.313,10.897) 36.454,10.038 36.454,9.627 ; v1(45.009,24.638) 45.187,24.46 45.187,21.889 44.176,20.879 39.512,20.879 37.268,18.635 37.268,13.39 35.921,12.043 35.9,12.043 34.957,11.1 34.957,9.906 35.28,9.582 36.409,9.582 36.454,9.627
MISO_A: J1.1 J4.10 U7.1 | length 41
  Top Layer w0.2: v1(20.7,18.8) 21,18.5 v1(29.3,18.5) ; v1(30.124,17.106) 30.296,17.278 32.166,17.278 32.169,17.275 v1@34.798,17.275 ; v1(30.207,24.867) 30.207,26.391 33.846,30.03 J1.1 ; v1(34.801,17.297) 34.811,17.288 v1@34.798,17.275 ; U7.1 37.099,17.275 v1@34.798,17.275
  Bottom Layer w0.2: J4.10 16.25,16.215 16.748,16.713 19.016,16.713 20.7,18.397 v1(20.7,18.8) ; v1(29.3,18.5) 29.3,17.931 29.5,17.731 v1(30.124,17.106) ; v1(30.207,24.867) 30.207,23.693 34.801,19.099 v1(34.801,17.297)
MOSI: J3.9 U1_FLASH1.5 U1_FLASH2.5 U1_FLASH3.5 U2.17 U4.6 U7.9 | length 89.2
  Top Layer w0.2: v1(7.391,8.636) 8.111,9.355 U1_FLASH3.5 ; v1(7.468,14.249) 7.468,14.326 8.611,15.469 9.706,15.597 9.736,15.594 10.802,15.469 11.002,15.469 14.837,11.633 v1(18.694,11.633) 18.852,11.476 19.096,11.476 19.105,11.467 19.944,11.467 19.953,11.476 35.8,11.476 37.174,10.102 ; v1(7.6,21.2) 7.8,21.4 U1_FLASH1.5 ; U2.17@17.831,16.082 17.637,15.888 17.88,15.645 17.88,15.078 v1(18.171,14.788) ; v1(35.281,8.966) 35.281,9.017 36.365,10.102 37.174,10.102 ; U7.9@38.627,10.102 37.174,10.102 ; U4.6 44.485,24.044 v1(44.602,23.927)
  Bottom Layer w0.2: v1@7.341,14.376 v1@7.391,14.376 ; v1(7.391,8.636) 7.41,8.655 7.41,9.665 7.391,9.684 v1@7.391,14.376 ; v1(7.468,14.249) 7.468,14.3 v1@7.391,14.376 ; v1(7.6,21.2) 7.391,20.991 v1@7.391,14.376 ; v1(18.171,14.788) 18.21,14.749 18.21,12.118 v1(18.694,11.633) ; J3.9@33.12,2.885 33.12,3.199 34.214,4.293 34.214,7.95 v1@35.23,8.966 ; v1(35.281,8.966) v1@35.23,8.966 ; v1(44.602,23.927) 44.653,23.876 44.653,21.93 44.084,21.361 39.496,21.361 36.916,18.781 36.916,13.536 35.775,12.395 35.754,12.395 34.604,11.246 34.604,9.592 v1@35.23,8.966
MOSI_A/TX: J1.4 J2.2 J2.4 J3.5 J4.11 U6.4 U7.2 | length 108.7
  Top Layer w0.2: v1(15.7,18.644) 15.739,18.605 17.575,18.605 18.423,18.605 18.763,18.945 19.947,18.945 20.355,19.352 20.929,19.352 21.184,19.097 29.828,19.097 v1(30.124,18.8) ; v1(24.4,4.7) 24.544,4.7 24.571,4.727 24.571,4.852 24.971,5.252 31.635,5.252 32.029,4.858 33.992,4.858 35.255,6.121 v1(35.255,6.223) ; v1(30.759,26.162) 32.962,26.162 36.1,29.3 36.1,30.509 37.363,31.773 J1.4 38.293,33.5 45.469,33.5 46.38,32.588 J2.2@48.92,32.588 ; v1(31.3,16.612) 31.3,16.555 31.223,16.478 v1@34.979,16.478 ; v1(34.9,16.5) 34.9,16.557 v1@34.979,16.478 ; v1(39.243,15.24) 39.243,15.596 38.361,16.478 U7.2 v1@34.979,16.478 ; v1(51.765,18.847) 55.575,18.847 56.032,19.304 U6.4
  Bottom Layer w0.2: v1(15.7,18.644) 15.748,18.692 15.748,20.188 J4.11 ; J3.5@22.96,2.885 22.96,3.26 v1(24.4,4.7) ; v1(30.124,18.8) 30.786,18.138 30.786,18.125 31.11,17.801 31.123,17.801 31.3,17.624 v1(31.3,16.612) ; v1(30.759,26.162) 30.607,26.162 29.655,25.21 29.655,23.691 34.249,19.097 34.249,17.069 34.817,16.5 v1(34.9,16.5) ; v1(35.255,6.223) 35.158,6.32 35.158,7.504 35.498,7.844 35.552,7.844 39.243,11.534 39.243,14.986 38.989,15.24 v1(39.243,15.24) 39.243,15.321 41.503,17.582 45.792,17.582 47.057,18.847 v1(51.765,18.847)
OUT1: R19.2 U6.3 | length 5.3
  Top Layer w0.2: U6.3 56.682,21.707 v1@56.693,21.717 ; R19.2 v1(59.202,22.703)
  Bottom Layer w0.2: v1@56.693,21.717 56.693,22.495 56.9,22.703 v1(59.202,22.703)
  other v1: 56.693,21.6
OUT2: R20.2 U6.5 | length 8.2
  Top Layer w0.2: U6.5 55.382,21.651 v1@55.397,21.666 ; R20.2 v1(59.167,24.343)
  Bottom Layer w0.2: v1@55.397,21.666 55.397,24.206 55.535,24.343 v1(59.167,24.343)
  other v1: 55.397,21.6
OUT3: R21.2 U6.7 | length 11.1
  Top Layer w0.2: U6.7 v1@54.082,21.647 ; R21.2 v1(59.207,25.984)
  Bottom Layer w0.2: v1@54.082,21.647 54.082,25.736 54.331,25.984 v1(59.207,25.984)
  other v1: 54.082,21.6
OUT4: R22.2 U6.9 | length 10.4
  Top Layer w0.2: v1(53.416,13.741) 53.416,15.084 U6.9 U6.9@53.467,15.065 ; v1(58.1,10.051) 58.35,10.301 R22.2
  Bottom Layer w0.2: v1(53.416,13.741) 53.416,10.49 53.855,10.051 v1(58.1,10.051)
OUT5: R23.2 U6.11 | length 9.9
  Top Layer w0.2: U6.11 54.737,15.105 v1(54.737,16.307) ; v1@58.137,11.756 v1(58.059,11.756) 58.35,12.047 R23.2
  Bottom Layer w0.2: v1(54.737,16.307) 54.737,12.228 55.209,11.756 v1(58.059,11.756)
OUT6: R24.2 U6.13 | length 8.4
  Top Layer w0.2: U6.13 56.032,14.232 56.117,14.148 57.752,14.148 58.802,13.098 58.802,10.413 58.8,10.411 58.8,9.492 R24.2
PAY: R27.2 U7.18 | length 46.9
  Top Layer w0.2: R27.2 10,2.876 v1(10.29,2.586) ; v1(44.526,12.268) 44.736,12.478 U7.18
  Bottom Layer w0.2: v1(10.29,2.586) 11.176,1.7 43.184,1.7 44.1,2.616 44.1,5.2 44.384,5.484 44.384,12.126 v1(44.526,12.268)
RESETn: R8.1 U4.3 U7.13 | length 25.7
  Top Layer w0.2: v1(41.763,11.442) 41.763,10.217 U7.13 ; v1(42.014,25.719) 42.289,25.994 U4.3 45.146,25.994 45.796,25.344 v1@45.796,23.774 ; v1(46.965,23.749) 47.133,23.749 47.65,23.231 v1(47.65,18.118)
  Bottom Layer w0.2: v1(41.763,11.442) 41.763,11.778 47.65,17.666 v1(47.65,18.118) ; v1(42.014,25.719) 42.13,25.603 R8.1 ; v1(45.771,23.774) 45.72,23.774 45.695,23.749 v1(46.965,23.749)
RS: R16.1 R17.2 U5.8 | length 2.6
  Top Layer w0.2: U5.8 23.908,25.629 R17.2 R16.1
RS_IN: R16.2
RST_EPS: J4.6 R26.1 | length 17.1
  Top Layer w0.2: R26.1@9.022,4.612 R26.1 9.022,4.912 9.951,5.842 v1(11.989,5.842)
  Bottom Layer w0.2: v1(11.989,5.842) 12.486,5.345 12.981,5.345 17.505,9.868 17.505,13.321 17.25,13.576 J4.6
RST_OBC: J4.4 R25.1 S1.5 U6.2 U7.31 | length 80.7
  Top Layer w0.2: v1(18.252,11) 35.431,11 v1(35.535,10.897) ; v1(36.978,25.1) 36.982,25.105 v1(36.982,27) ; v1(37.4,20.047) 38.953,20.047 39.402,19.598 U7.31 v1(39.402,17.533) ; v1(52.705,18.173) 55.968,18.173 57.332,19.537 U6.2 57.332,21.732 57.4,21.8 v1(57.5,21.8)
  Bottom Layer w0.2: J4.4 17.75,15.148 17.618,15.016 17.618,13.706 17.857,13.467 17.857,11.395 v1(18.252,11) ; S1.5 24.317,27.681 36.301,27.681 v1(36.982,27) ; v1(35.535,10.897) 35.56,10.871 37.725,13.037 37.725,15.856 v1(39.402,17.533) 39.857,17.988 45.623,17.988 47.676,20.041 52.222,20.041 52.705,19.558 v1(52.705,18.173) ; v1(36.978,25.1) 37.4,24.678 v1(37.4,20.047) ; v1(57.5,21.8) 58.118,21.8 R25.1
RST_PAY: J4.8 R27.1 | length 15
  Top Layer w0.2: R27.1 10.612,5.262 12.229,5.262 12.753,5.786 v1(12.753,5.897)
  Bottom Layer w0.2: v1(12.753,5.897) 17.152,10.297 17.152,13.175 16.75,13.577 J4.8
RST_PROG: J1.5 S1.4 | length 14.7
  Bottom Layer w0.2: S1.4 38.771,28.898 J1.5
RST_SW: S1.6 S2.1 | length 8.8
  Top Layer w0.2: S2.1@15.825,32.6 15.825,29.4 20.058,29.4 S1.6
  Bottom Layer w0.2: S1.6@20.074,28.412 S1.6
RSTn_IN: U2.6 U3.4 | length 11.9
  Top Layer w0.2: U2.6 20.335,5.424 21.011,4.748 21.469,4.748 22.359,5.638 27.663,5.638 U3.4 ; U2.6@20.371,6.782 U2.6@20.371,6.89
RTC_INTRPT: R2.1 U2.5 U7.27 | length 39.1
  Top Layer w0.2: U2.5@19.075,6.851 U2.5@19.075,7.775 ; v1(19.105,5.262) 19.065,5.303 U2.5 19.065,7.765 U2.5@19.075,7.775 ; v1(19.7,8.3) 19.6,8.3 U2.5@19.075,7.775 ; v1(25.8,19.8) 25.852,19.748 28.46,19.748 30.637,21.925 41.294,21.925 42.602,20.617 U7.27
  Bottom Layer w0.2: v1(19.105,5.262) 19.143,5.3 R2.1 ; v1(19.7,8.3) 19.781,8.3 22.946,11.464 22.946,16.38 23.014,16.449 23.014,17.014 v1(25.8,19.8)
RTC_RSTn: R4.1 U3.2 U7.3 | length 13.7
  Top Layer w0.2: U3.2 31.776,6.851 R4.1 32.969,7.595 v1(35.509,10.135) ; U7.3 37.175,15.605 v1(38.278,15.605)
  Bottom Layer w0.2: v1(35.509,10.135) 35.662,10.135 38.278,12.751 v1(38.278,15.605)
RX_SW: J2.1 J2.3 S1.3 | length 31.7
  Bottom Layer w0.2: S1.3@20.422,32.512 S1.3@20.422,32.715 ; S1.3 20.56,32.854 21.819,34.112 42.824,34.112 46.38,30.556 46.38,30.048 J2.1@48.92,30.048
RXCAN: R12.2 U7.7 | length 38
  Top Layer w0.2: v1(11.227,13.894) 12.084,13.037 v1(12.5,13.037) ; v1(12.001,21.832) 12.014,21.819 R12.2 ; v1(16.6,12.946) 18.776,12.946 19.403,12.319 36.943,12.319 U7.7
  Bottom Layer w0.2: v1(11.227,13.894) 11.227,21.057 v1(12.001,21.832) ; v1(12.5,13.037) 16.509,13.037 v1(16.6,12.946)
RXD_R: R12.1 U5.4 | length 1.6
  Top Layer w0.2: R12.1 U5.4
SCK: J3.8 U1_FLASH1.6 U1_FLASH2.6 U1_FLASH3.6 U2.18 U2.20 U4.11 U7.28 | length 99.3
  Top Layer w0.2: v1(6.807,15.24) 8.306,16.739 U1_FLASH2.6 11.395,16.739 12.316,15.818 13.662,15.818 13.995,16.151 13.995,17.297 14.293,17.595 14.301,17.595 14.384,17.678 16.053,17.678 16.535,17.196 U2.18@16.535,16.201 ; v1(6.84,21.679) 6.891,21.679 7.881,22.67 U1_FLASH1.6 ; U1_FLASH3.6 8.085,10.625 v1(6.858,9.398) 6.812,9.352 6.812,8.396 8.731,6.477 12.993,6.477 13.332,6.137 13.332,5.886 15.071,4.148 29.317,4.148 J3.8 ; U2.18 U2.18@16.535,16.201 ; U7.28 v1(41.802,20.174) 40.457,21.519 38.134,21.519 38.125,21.509 33.615,21.509 29.958,17.852 20.231,17.852 19.491,18.592 18.909,18.592 18.569,18.252 17.429,18.252 16.971,18.252 16.648,17.929 16.648,16.313 U2.18@16.535,16.201 ; v1(47.879,23.978) 47.945,24.044 U4.11
  Bottom Layer w0.2: v1@6.731,15.24 v1(6.807,15.24) ; v1(6.858,9.398) v1@6.858,21.742 ; v1(41.802,20.174) 44.171,20.174 47.879,23.882 v1(47.879,23.978)
SCK_A: J1.3 S1.1 | length 13.1
  Top Layer w0.2: S1.1 S1.1@25.64,32.65
  Bottom Layer w0.2: S1.1 27.3,32.2 28.1,31.4 35.993,31.4 J1.3
SCK_A/RX: J3.6 J4.13 S1.2 U6.6 U7.12 | length 98.2
  Top Layer w0.2: v1(15.596,21.006) 19.228,21.006 19.588,21.366 19.588,25.252 v1(19.863,25.527) 21.718,27.382 21.718,30.048 23.1,31.43 S1.2 ; v1(25.2,4.7) 31.689,4.7 31.969,4.42 44.221,4.42 44.791,4.989 44.791,9.042 47.694,9.042 v1(48.895,7.841) ; U7.12@40.996,10.197 41.002,10.191 40.996,10.184 U7.12 41.002,9.43 41.389,9.042 44.78,9.042 ; v1(51.046,7.841) 51.046,19.246 51.257,19.456 54.605,19.456 54.732,19.583 U6.6
  Bottom Layer w0.2: J4.13 15.25,20.609 15.596,20.955 v1(15.596,21.006) ; v1(19.863,25.527) 22.335,23.055 22.335,19.873 22.31,19.848 22.31,16.741 22.241,16.672 22.241,12.427 19.148,9.334 19.148,8.071 21.321,5.897 24.002,5.897 v1(25.2,4.7) ; v1@25.2,4.8 25.285,4.885 J3.6 ; v1(48.895,7.841) v1(51.046,7.841)
SPI_CSn: R7.1 U4.2 U7.32 | length 23.3
  Top Layer w0.2: v1(37.821,18.39) 37.821,18.644 37.955,18.778 U7.32 ; v1(42.062,26.924) 42.342,26.644 U4.2 45.695,26.644 46.35,25.989 46.35,19.68 v1(46.33,19.66)
  Bottom Layer w0.2: v1(37.821,18.39) 37.825,18.394 45.156,18.394 46.33,19.568 v1(46.33,19.66) ; v1(42.062,26.924) 42.088,26.949 R7.1
TXCAN: R13.2 U7.6 | length 29.1
  Top Layer w0.2: R13.2@17.163,26.637 R13.2 17.189,26.568 v1(18.059,26.568) ; v1(35.4,13.3) 35.422,13.278 U7.6
  Bottom Layer w0.2: v1(18.059,26.568) 28.219,26.568 28.423,26.365 28.423,23.518 33.4,18.54 33.4,15.3 v1(35.4,13.3)
TXD_R: R13.1 U5.1 | length 2.1
  Top Layer w0.2: R13.1 16.263,25.977 16.611,25.629 U5.1
WAKEUPn: R10.2 U4.15 U7.15 | length 24.8
  Top Layer w0.2: U7.15 43.434,10.21 v1(43.434,11.278) ; U4.15 v1(50.546,26.645) 51.181,26.645 51.181,26.624 51.968,25.836 51.968,21.539 49.555,19.126 v1(49.555,18.009)
  Bottom Layer w0.2: v1(43.434,11.278) 43.434,12.058 49.384,18.009 v1(49.555,18.009) ; R10.2 50.232,26.924 50.512,26.645 v1(50.546,26.645)
XTAL1: C13.2 U7.10 Y1.1 | length 7.9
  Top Layer w0.2: Y1.1 Y1.1@37.928,5.708 ; U7.10 39.402,7.182 Y1.1@37.928,5.708 ; v1(39.6,5.43) 38.206,5.43 Y1.1@37.928,5.708
  Bottom Layer w0.2: v1@39.6,5.623 v1(39.6,5.43) 39.954,5.785 C13.2
XTAL2: C14.2 U7.11 Y1.3 | length 6
  Top Layer w0.2: U7.11@40.157,10.223 U7.11 40.202,8.51 40.654,8.058 41.878,8.058 41.878,7.105 v1@41.655,6.883
  Bottom Layer w0.2: C14.2@40.869,5.977 40.869,6.045 v1@41.631,6.807
  other v1: 41.631,6.907
pads on no net: J4. U2.3 U3.1 U4.1 U4.9 U4.10 U4.13 U4.16

## Polygon pours and split planes (outlines as drawn)
GND on Top Layer "64M1_GND" (solid, pour order 24): 44.831,17.831 44.831,15.144 44.8,15.113 44.85,15.062 46.4,15.062 46.4,13.647 44.858,13.647 44.858,11.066 36.365,11.066 36.365,17.831
+3V3 on Top Layer "+3V3_L01_P012" (solid, pour order 12): 10.574,25.515 7.907,25.515 5.341,22.949 3.208,22.949 3.208,22.365 7.119,22.365 8.415,23.661 10.599,23.661 10.599,25.489
+3V3 on Top Layer "+3V3_L01_P016" (solid, pour order 16): 10.795,13.453 8.128,13.453 5.563,10.888 3.429,10.888 3.429,10.304 7.341,10.304 8.636,11.599 10.82,11.599 10.82,13.428
+3V3 on Top Layer "+3V3_L01_P014" (solid, pour order 14): 10.795,19.59 8.128,19.59 5.563,17.025 3.429,17.025 3.429,16.44 7.341,16.44 8.636,17.736 10.82,17.736 10.82,19.565
GND on GND "GND_L02_P026" (solid, remove dead copper, pour order 26): 0,0 60.046,0 60.046,34.9 60.122,34.976 0,34.976
+3V3 on VCC "+3V3_L03_P028" (solid, remove dead copper, pour order 28): 0,0 60.046,0 59.995,0.051 59.995,34.976 0.127,34.976 0,35.103

## Silkscreen, mask and mechanical layers (free items; w line width, h text height)
Top Overlay:
  lines w0.254: 34.823,28.27 35.863,27.2 38.863,27.2 39.903,28.27
  text "TX" at 42.7,32.2 h0.75
  text "RX" at 42.7,29.6 h0.75
  text "RST" at 13.985,27.8 h0.75
  text "RUN<->PGM" at 19.865,26.7 h0.75
  text "PGM" at 36.4,25.933 h0.75
  text "RX" at 52.07,25.756 h0.75
  text "TX" at 52.095,24.028 h0.75
  text "RST" at 51.486,22.225 h0.75
  text "REL_B" at 49.936,12.446 h0.75
  text "REL_A" at 49.936,10.617 h0.75
  text "ANT_WARN" at 47.6,8.788 h0.75
  text "CANH" at 11.3,0.7 h0.6
  text "CANL" at 14.021,0.7 h0.6
  text "SCL" at 16.9,0.7 h0.6
  text "SDA" at 19.4,0.7 h0.6
  text "TX" at 22.2,0.7 h0.6
  text "RX" at 24.8,0.7 h0.6
  text "GND" at 27,0.7 h0.6
  text "SCK" at 29.5,0.7 h0.6
  text "MOSI" at 31.8,0.7 h0.6
  text "MISO" at 34.468,0.7 h0.6
  text "BAT" at 37.2,0.7 h0.6
  text "3V3" at 39.728,0.7 h0.6
  text "3V3" at 42.3,0.7 h0.6
  text "GND" at 44.8,0.7 h0.6
  text "GND" at 47.4,0.7 h0.6
Bottom Overlay:
  drawing of 11 lines, arcs and shapes, not listed
  text "HERON MK II" at 31.7,13.8 h0.75
  text "OBC V3" at 31.7,12.4 h0.75
  text "!" at 37.5,11.7 h12
Route Tool Path:
  lines w0.152: 0,0 0,26.159 0,26.192 0.013,26.258 0.039,26.32 0.076,26.376 0.1,26.4 0.124,26.424 0.18,26.461 0.242,26.487 0.308,26.5 0.341,26.5 11.017,26.5 11.125,26.502 11.336,26.539 11.537,26.615 11.718,26.73 11.8,26.8 11.854,26.874 11.938,27.035 11.989,27.21 12.005,27.392 12,27.483 12,34.317 12,34.384 12.026,34.516 12.078,34.641 12.152,34.752 12.2,34.8 12.248,34.848 12.359,34.922 12.484,34.974 12.616,35 12.683,35 12.9,35.001 60.02,35.001 60.02,0 0,0